# Altium PCB CSUEAF4.PcbDoc (part 2 of 2)
Units mm, origin at the board's own origin, x right, y up, seen from the top; angles counter-clockwise.
Board outline 100.25 x 100.25 mm, 2 copper layers (Top Layer, Bottom Layer); 84 components, 107 nets, 440 pads, 218 vias.
Unrouted connection lines stored in the file: 65.
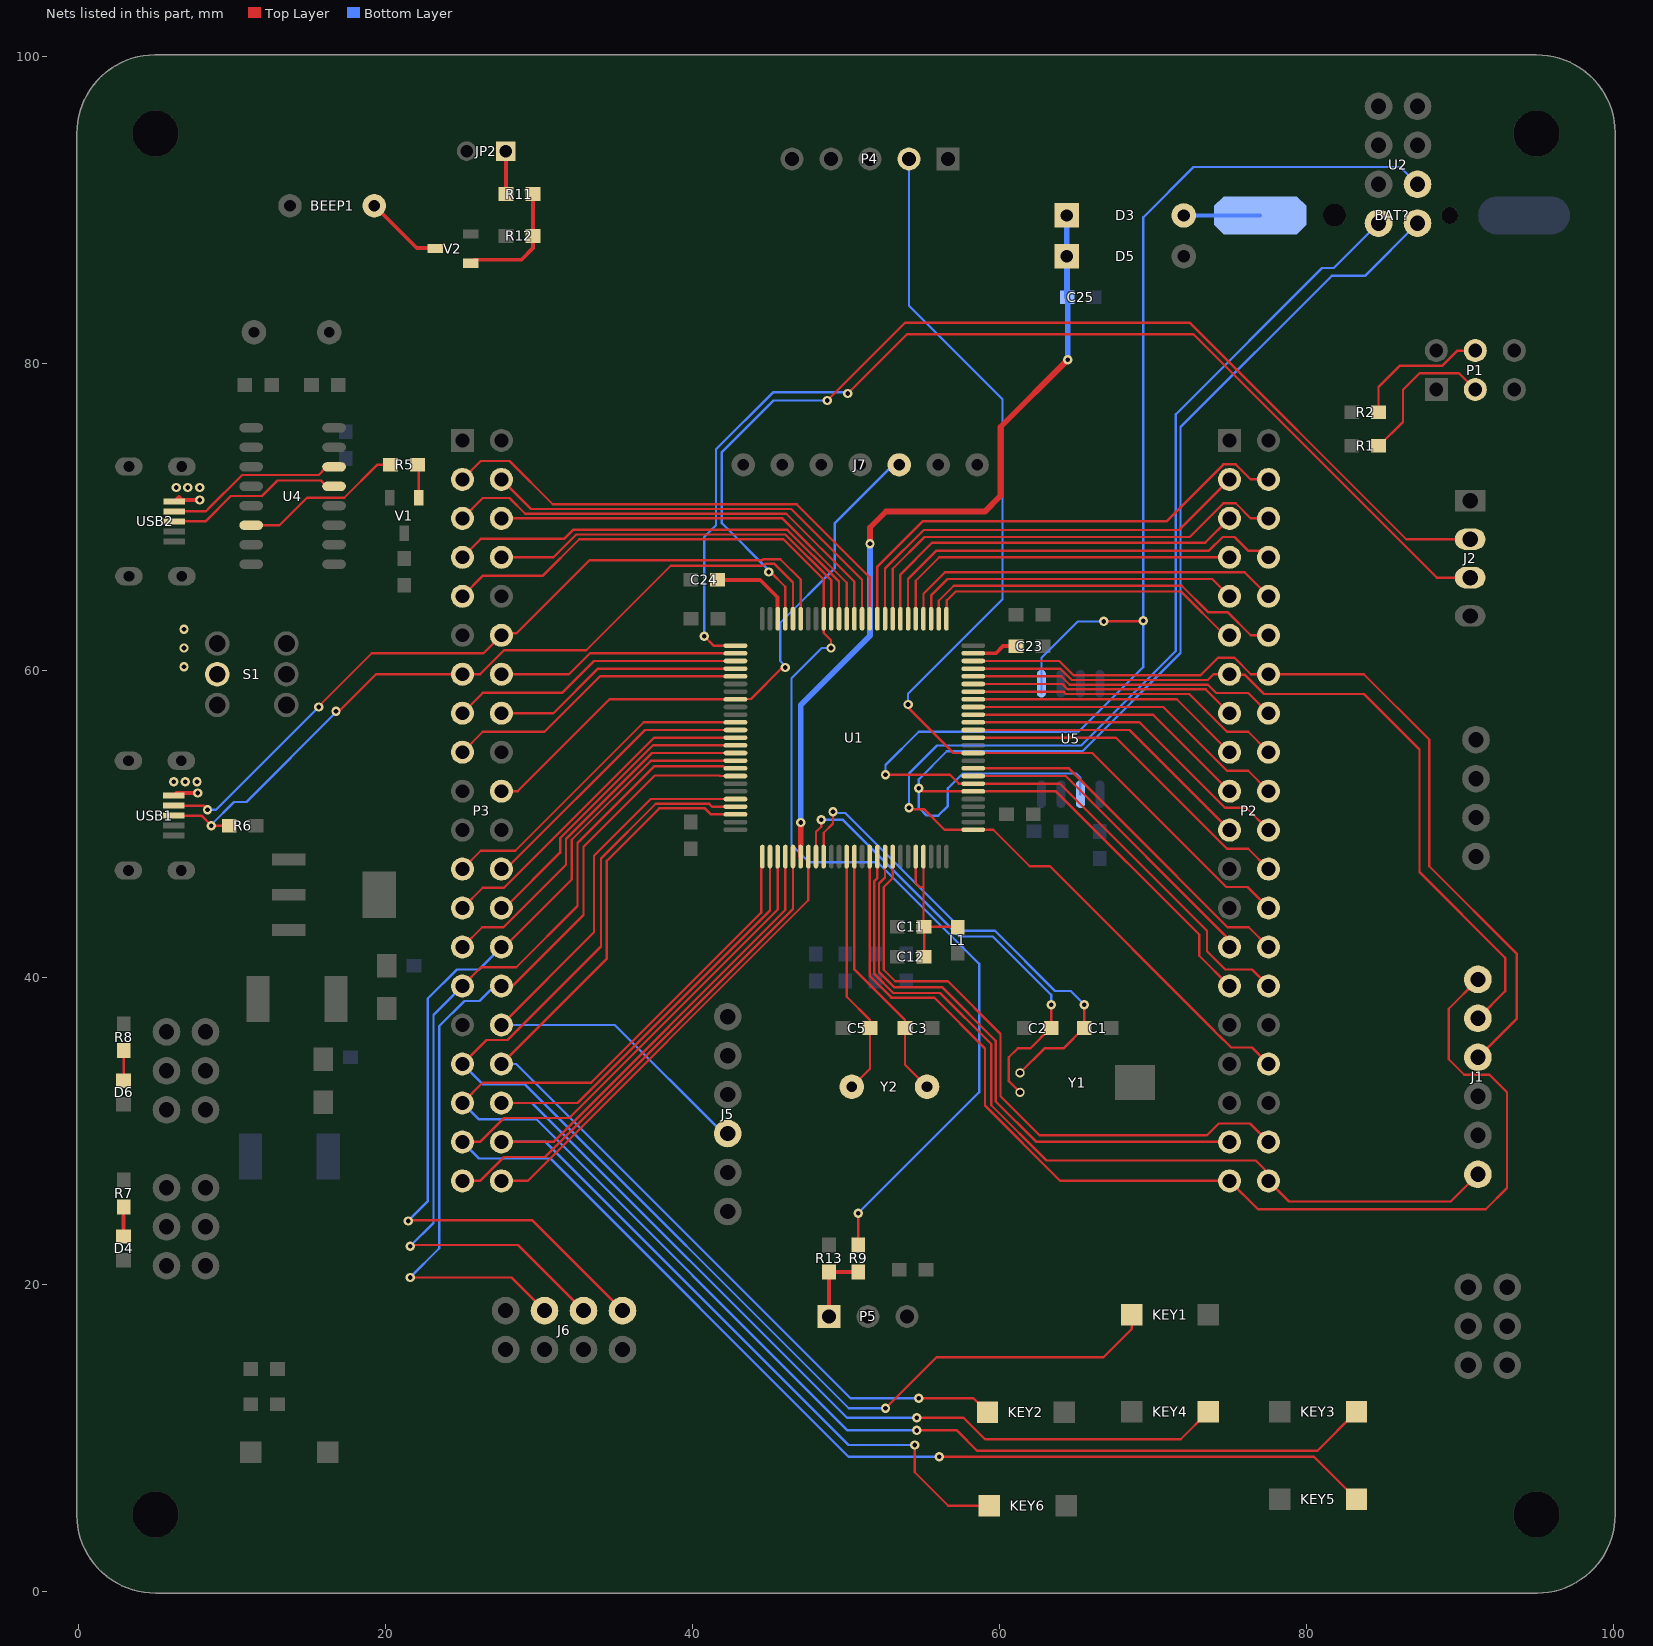
[diagram p2: the nets of this part, all layers, seen from the top]

## Via types
v1: diameter 0.61, hole 0.305, Top Layer to Bottom Layer, tented both sides, 218 vias

## Nets (pads, with @x,y where several pads share a name; then routed paths per layer and width w, separated by ;. In a path a pad name is that pad's centre, name@x,y a point inside that pad or via, vN(x,y) a via of type N, cw(c..) or ccw(c..) an arc to the next point about the centre after c; other vN are vias at no path point) (continued)
I2C1_SDA: J5.4 P3.32 U1.96 | length 42
  Top Layer w0.152: P3.32@27.54,36.9 33.579,42.939 33.579,47.93 37.275,51.626 U1.96@42.796,51.626
  Bottom Layer w0.152: P3.32@27.54,36.9 34.932,36.9 42.007,29.825 J5.4@42.291,29.825
I2C2_SCL: J1.5 P2.13 U1.47 | length 52.2
  Top Layer w0.152: U1.47@58.296,60.126 63.966,60.126 64.707,59.385 73.572,59.385 73.947,59.76 P2.13@75,59.76 75.026,59.734 75.979,59.734 77.242,58.471 83.769,58.471 87.376,54.864 87.376,46.863 92.964,41.275 92.964,39.108 J1.5@91.186,37.33
I2C2_SDA: J1.4 P2.14 U1.48 | length 56.9
  Top Layer w0.152: U1.48@58.296,60.626 63.897,60.626 64.833,59.69 73.109,59.69 74.252,60.833 75.311,60.833 76.384,59.76 P2.14@77.54,59.76 83.75,59.76 88.011,55.499 88.011,47.244 93.726,41.529 93.726,37.33 J1.4@91.186,34.79
I2C3_SCL: P3.9 R9.2 U1.67 | length 82.1
  Top Layer w0.152: P3.9@25,64.84 26.348,66.188 30.247,66.188 32.614,68.555 32.875,68.555 32.881,68.561 45.919,68.561 48.546,65.934 U1.67@48.546,63.376 48.546,62.452 49.022,61.976 v1(49.022,61.468) ; R9.2@50.8,22.565 v1(50.8,24.638)
  Bottom Layer w0.152: v1(49.022,61.468) 48.419,61.468 46.452,59.501 46.452,48.651 47.605,47.498 52.07,47.498 58.674,40.894 58.674,32.512 v1(50.8,24.638)
I2C3_SDA: P3.8 U1.66 | length 25.9
  Top Layer w0.152: P3.8@27.54,67.38 30.931,67.38 32.417,68.866 46.045,68.866 49.046,65.865 U1.66@49.046,63.376
JTDI: P3.14 U1.77 | length 15.7
  Top Layer w0.152: P3.14@27.54,59.76 31.947,59.76 33.313,61.126 U1.77@42.669,61.126
JTDO: P3.26 U1.89 | length 20.2
  Top Layer w0.152: P3.26@27.54,44.52 27.756,44.52 31.369,48.133 31.369,49.072 37.423,55.126 U1.89@42.796,55.126
JTRST: P3.27 U1.90 | length 24
  Top Layer w0.152: P3.27@25,41.98 26.29,43.27 27.674,43.27 31.75,47.346 31.75,49.022 37.354,54.626 U1.90@42.796,54.626
KEY: J1.1 P2.40 U1.16 | length 56.6
  Top Layer w0.152: U1.16@52.046,47.876 52.046,46.476 51.851,46.281 51.851,40.224 53.085,38.989 56.134,38.989 59.461,35.662 59.461,31.669 63.063,28.067 76.708,28.067 77.54,27.235 P2.40@77.54,26.74 78.88,25.4 89.416,25.4 J1.1@91.186,27.17
KEY1: KEY1.1 P3.33 U1.97 | length 84.4
  Top Layer w0.152: P3.33@25,34.36 26.561,35.921 27.945,35.921 34.036,42.012 34.036,47.752 37.605,51.321 41.08,51.321 41.275,51.126 U1.97@42.796,51.126 ; v1(52.578,11.923) 55.895,15.24 66.777,15.24 68.62,17.083 KEY1.1@68.62,18.01
  Bottom Layer w0.152: P3.33@25,34.36 25.203,34.36 25.203,34.157 26.34,33.02 29.083,33.02 50.18,11.923 v1(52.578,11.923)
KEY2: KEY2.1 P3.34 U1.98 | length 67.1
  Top Layer w0.152: P3.34@27.54,34.36 34.417,41.237 34.417,47.609 37.824,51.016 40.805,51.016 41.195,50.626 U1.98@42.796,50.626 ; v1(54.737,12.576) 58.306,12.576 KEY2.1@59.222,11.66
  Bottom Layer w0.152: P3.34@27.54,34.36 28.512,34.36 50.295,12.576 v1(54.737,12.576)
KEY3: KEY3.1 P3.35 U1.1 | length 97
  Top Layer w0.152: P3.35@25,31.82 26.327,33.147 33.401,33.147 44.478,44.224 44.478,47.327 44.546,47.395 U1.1@44.546,47.876 ; v1(54.61,10.477) 57.226,10.477 58.56,9.144 80.708,9.144 KEY3.1@83.272,11.708
  Bottom Layer w0.152: P3.35@25,31.82 26.053,30.767 29.812,30.767 50.102,10.477 v1(54.61,10.477)
KEY4: KEY4.1 P3.36 U1.2 | length 82.1
  Top Layer w0.152: P3.36@27.54,31.82 32.505,31.82 45.046,44.361 U1.2@45.046,47.876 ; v1(54.61,11.303) 57.658,11.303 59.055,9.906 71.818,9.906 KEY4.1@73.62,11.708
  Bottom Layer w0.152: P3.36@27.54,31.82 29.545,31.82 50.062,11.303 v1(54.61,11.303)
KEY5: KEY5.1 P3.37 U1.3 | length 98.3
  Top Layer w0.152: P3.37@25,29.28 26.156,29.28 27.717,30.841 31.958,30.841 45.546,44.43 U1.3@45.546,47.876 ; v1(56.079,8.763) 80.502,8.763 KEY5.1@83.272,5.993
  Bottom Layer w0.152: P3.37@25,29.28 25,29.153 25.127,29.153 26.086,28.194 30.734,28.194 50.165,8.763 v1(56.079,8.763)
KEY6: KEY6.1 P3.38 U1.4 | length 70.9
  Top Layer w0.152: P3.38@27.54,29.28 30.931,29.28 46.046,44.395 U1.4@46.046,47.876 ; v1(54.483,9.525) 54.483,7.747 56.666,5.564 KEY6.1@59.349,5.564
  Bottom Layer w0.152: P3.38@27.54,29.28 30.41,29.28 50.165,9.525 v1(54.483,9.525)
NetBAT?_1: BAT?.1 D3.2 | length 5
  Bottom Layer w0.254: D3.2@72.009,89.662 BAT?.1@76.996,89.662
NetBEEP1_2: BEEP1.2 V2.3 | length 5.1
  Top Layer w0.254: BEEP1.2@19.26,90.297 22.026,87.531 23.206,87.531 V2.3@23.234,87.503
NetC11_2: C11.2 C12.2 L1.1 U1.21 U1.22 | length 11.1
  Top Layer w0.152: U1.21@54.546,47.876 54.546,46.14 54.792,45.894 55.046,45.894 ; U1.22@55.046,47.876 55.046,45.894 ; C12.2@55.093,41.345 C11.2@55.093,43.307 ; L1.1@57.277,43.27 57.24,43.307 C11.2@55.093,43.307 ; 55.046,45.894 55.046,43.354 C11.2@55.093,43.307
NetC23_1: C23.1 U1.49 | length 3
  Top Layer w0.254: U1.49@58.296,61.126 59.77,61.126 60.239,61.595 C23.1@61.087,61.595
NetC24_1: C24.1 U1.73 | length 5.8
  Top Layer w0.254: C24.1@41.631,65.913 44.41,65.913 45.546,64.777 U1.73@45.546,63.376
NetD4_A: D4.A R7.1 | length 1.9
  Top Layer w0.254: D4.A@2.921,23.114 R7.1@2.921,25.044
NetD6_A: D6.A R8.1 | length 2
  Top Layer w0.152: D6.A@2.921,33.274 R8.1@2.921,35.23
NetJP2_1: JP2.1 R11.1 | length 2.8
  Top Layer w0.254: JP2.1@27.813,93.853 27.838,93.828 R11.1@27.838,91.059
NetP1_3: P1.3 R1.1 | length 10
  Top Layer w0.152: R1.1@84.709,74.646 84.747,74.646 86.301,76.2 86.301,78.3 87.376,79.375 89.954,79.375 90.926,78.403 P1.3@90.926,78.226
NetP1_4: P1.4 R2.2 | length 8.9
  Top Layer w0.152: R2.2@84.709,76.835 84.709,78.486 86.099,79.876 88.88,79.876 89.858,80.855 P1.4@91.015,80.855
NetP5_1: P5.1 R9.1 R13.2 | length 4.8
  Top Layer w0.254: P5.1@48.895,17.907 R13.2@48.895,20.812 R9.1@50.8,20.812
NetR5_1: R5.1 V1.1 | length 1.9
  Top Layer w0.152: R5.1@22.073,73.152 22.159,73.066 V1.1@22.159,71.254
NetR5_2: R5.2 U4.14 | length 10.7
  Top Layer w0.152: U4.14@11.237,69.469 13.081,69.469 14.88,71.268 17.293,71.268 19.431,73.406 R5.2@20.32,73.406
NetR11_2: R11.2 R12.2 V2.1 | length 8
  Top Layer w0.254: V2.1@25.534,86.553 25.758,86.777 28.839,86.777 29.591,87.528 R12.2@29.591,88.326 R11.2@29.591,91.059
NetU4_5: U4.5 USB2.3 | length 11.7
  Top Layer w0.152: USB2.3@6.216,69.723 8.255,69.723 9.906,71.374 11.931,71.374 12.947,72.39 15.781,72.39 16.162,72.009 U4.5@16.637,72.009
NetU4_6: U4.6 USB2.2 | length 11.6
  Top Layer w0.152: USB2.2@6.216,70.373 8.276,70.373 8.42,70.517 8.42,70.523 10.647,72.75 15.633,72.75 16.016,73.133 16.491,73.133 U4.6@16.637,73.279
NRF_IRQ: P2.34 U1.26 U2.8 | length 87.1
  Top Layer w0.152: v1(54.102,51.054) 54.187,50.969 55.084,50.969 56.427,49.626 U1.26@58.296,49.626 59.599,49.626 61.981,47.244 63.292,47.244 74.021,36.514 74.021,36.495 74.595,35.921 74.614,35.921 75.103,35.433 76.467,35.433 P2.34@77.54,34.36
  Bottom Layer w0.152: v1(54.102,51.054) 54.102,53.294 55.926,55.118 65.328,55.118 71.501,61.291 71.501,76.708 81.026,86.233 81.788,86.233 U2.8@84.709,89.154
"OS 8M IN": C5.2 U1.12 Y2.1 | length 16.1
  Top Layer w0.152: U1.12@50.046,47.876 50.046,38.74 51.562,37.224 C5.2@51.562,36.703 51.562,34.055 Y2.1@50.382,32.875
"OS 8M OUT": C3.2 U1.13 Y2.2 | length 17
  Top Layer w0.152: U1.13@50.546,47.876 50.546,40.526 53.848,37.224 C3.2@53.848,36.703 53.848,34.309 Y2.2@55.282,32.875
"OS 32K IN": C2.2 U1.8 Y1.1 | length 30.5
  Top Layer w0.152: U1.8@48.046,47.876 48.046,49.49 48.381,49.825 v1(48.381,50.267) ; Y1.1@61.341,32.512 60.61,33.243 60.61,34.798 61.188,35.376 62.008,35.376 63.335,36.703 C2.2@63.373,36.703 v1(63.373,38.227)
  Bottom Layer w0.152: v1(48.381,50.267) 49.809,50.267 57.404,42.672 59.563,42.672 63.373,38.862 v1(63.373,38.227)
"OS 32K OUT": C1.2 U1.9 Y1.2 | length 31.7
  Top Layer w0.152: U1.9@48.546,47.876 48.546,49.435 49.149,50.038 v1(49.149,50.8) ; Y1.2@61.341,33.782 62.935,35.376 64.167,35.376 65.494,36.703 C1.2@65.532,36.703 v1(65.532,38.227)
  Bottom Layer w0.152: v1(49.149,50.8) 49.234,50.715 49.946,50.715 57.608,43.053 59.69,43.053 63.627,39.116 64.643,39.116 v1(65.532,38.227)
PA6: P2.29 U1.31 U2.7 U5.2 | length 98.1
  Top Layer w0.152: v1(54.737,52.324) 54.792,52.324 54.983,52.133 58.289,52.133 U1.31@58.296,52.126 63.69,52.126 73.025,42.791 73.025,41.415 P2.29@75,39.44
  Bottom Layer w0.152: U5.2@65.278,51.943 65.278,52.997 64.986,53.289 57.607,53.289 56.642,52.324 56.642,51.181 56.007,50.546 55.507,50.546 55.503,50.55 55.241,50.55 54.737,51.054 v1(54.737,52.324) 54.737,52.908 56.566,54.737 65.405,54.737 71.806,61.138 71.806,75.87 81.661,85.725 83.82,85.725 U2.7@87.249,89.154
PA7: P2.30 U1.32 U2.6 U5.5 | length 110.5
  Top Layer w0.152: v1(52.578,53.213) 56.769,53.213 57.356,52.626 U1.32@58.296,52.626 63.945,52.626 73.533,43.038 73.533,41.702 74.715,40.519 76.461,40.519 P2.30@77.54,39.44 ; v1(66.802,63.203) 66.824,63.224 69.346,63.224 v1(69.367,63.246)
  Bottom Layer w0.152: v1(52.578,53.213) 52.578,53.848 54.737,56.007 65.151,56.007 69.367,60.223 v1(69.367,63.246) 69.367,89.535 72.655,92.823 86.12,92.823 U2.6@87.249,91.694 ; U5.5@62.738,58.543 U5.5@62.738,59.143 62.738,60.833 65.108,63.203 v1(66.802,63.203)
PA11: P3.12 U1.70 USB1.2 | length 51
  Top Layer w0.152: USB1.2@6.18,51.196 8.128,51.196 v1@8.397,50.927 ; v1(15.633,57.626) 15.633,57.67 19.089,61.126 26.366,61.126 P3.12@27.54,62.3 27.668,62.428 28.519,62.428 33.281,67.19 44.541,67.19 44.611,67.259 45.72,67.259 47.046,65.933 U1.70@47.046,63.376
  Bottom Layer w0.152: v1(8.382,50.927) 8.934,50.927 v1(15.633,57.626) 15.626,57.626 v1@15.588,57.664
PA12: P3.13 R6.2 U1.71 USB1.3 | length 52.1
  Top Layer w0.152: USB1.3@6.18,50.546 7.986,50.546 v1(8.636,49.896) R6.2@9.804,49.896 ; v1(16.764,57.34) 16.764,57.15 19.374,59.76 P3.13@25,59.76 26.156,59.76 27.717,61.321 33.077,61.321 38.583,66.827 44.61,66.827 44.737,66.954 45.337,66.954 46.546,65.746 U1.71@46.546,63.376
  Bottom Layer w0.152: v1(8.636,49.896) 8.636,49.958 10.113,51.435 10.922,51.435 16.764,57.277 v1(16.764,57.34)
PA13: J2.2 U1.72 | length 70.8
  Top Layer w0.152: v1(44.958,66.421) 45.085,66.421 46.046,65.46 U1.72@46.046,63.376 ; v1(48.768,77.597) 48.784,77.597 53.864,82.677 72.39,82.677 86.51,68.557 J2.2@90.678,68.557
  Bottom Layer w0.152: v1(44.958,66.421) 44.958,66.548 41.91,69.596 41.91,74.238 45.269,77.597 v1(48.768,77.597)
PA14: J2.3 U1.76 | length 73.7
  Top Layer w0.152: v1(40.767,62.23) 41.371,61.626 U1.76@42.796,61.626 ; v1(50.114,78.054) 53.975,81.915 72.644,81.915 88.502,66.057 J2.3@90.678,66.057
  Bottom Layer w0.152: v1(40.767,62.23) 40.767,68.707 41.529,69.469 41.529,74.422 45.237,78.13 50.038,78.13 v1(50.114,78.054)
PB1: P2.26 P4.2 U1.36 | length 69.8
  Top Layer w0.152: v1(54.046,57.785) 54.046,57.729 53.975,57.658 57.007,54.626 U1.36@58.296,54.626 66.05,54.626 74.782,45.894 76.166,45.894 P2.26@77.54,44.52
  Bottom Layer w0.152: v1(54.046,57.785) 54.046,58.491 60.198,64.643 60.198,77.681 54.102,83.777 P4.2@54.102,93.345
PB5: J6.1 P3.28 U1.91 | length 59.5
  Top Layer w0.152: v1@21.463,24.185 29.536,24.185 J6.1@35.433,18.288 ; P3.28@27.54,41.98 P3.28@27.54,42.457 ; P3.28@27.903,42.158 32.131,46.386 32.131,48.972 37.285,54.126 U1.91@42.796,54.126
  Bottom Layer w0.152: v1(21.463,24.13) 22.733,25.4 22.733,38.608 24.638,40.513 26.073,40.513 P3.28@27.54,41.98
PB6: J6.3 P3.29 U1.92 | length 57.6
  Top Layer w0.152: v1@21.59,22.565 28.616,22.565 J6.3@32.893,18.288 ; P3.29@25,39.44 26.218,40.658 28.504,40.658 32.505,44.659 32.505,48.761 37.516,53.772 41.99,53.772 42.136,53.626 U1.92@42.796,53.626
  Bottom Layer w0.152: v1(21.59,22.479) 23.114,24.003 23.114,37.554 P3.29@25,39.44
PB7: J6.5 P3.30 U1.93 | length 55.5
  Top Layer w0.152: v1(21.59,20.447) 28.194,20.447 J6.5@30.353,18.288 ; P3.30@27.54,39.44 28.264,39.44 32.893,44.069 32.893,48.514 37.538,53.159 41.75,53.159 41.783,53.126 U1.93@42.796,53.126
  Bottom Layer w0.152: v1(21.59,20.447) 23.495,22.352 23.495,36.83 25.126,38.461 26.105,38.461 26.826,39.182 27.282,39.182 P3.30@27.54,39.44
PB12: P2.11 U1.51 | length 21.1
  Top Layer w0.152: U1.51@56.546,63.376 56.571,63.401 56.571,64.572 57.15,65.151 71.832,65.151 74.683,62.3 P2.11@75,62.3
PB13: P2.12 U1.52 | length 24.4
  Top Layer w0.152: U1.52@56.046,63.376 56.046,64.555 57.023,65.532 71.882,65.532 73.623,63.791 74.893,63.791 76.384,62.3 P2.12@77.54,62.3
PB14: P2.9 U1.53 | length 21.9
  Top Layer w0.152: U1.53@55.546,63.376 55.546,64.897 56.618,65.969 73.871,65.969 P2.9@75,64.84
PB15: P2.10 U1.54 | length 25.3
  Top Layer w0.152: U1.54@55.046,63.376 55.046,65.003 56.445,66.401 75.979,66.401 P2.10@77.54,64.84
PC0: J1.6 P2.39 U1.15 | length 75.3
  Top Layer w0.152: U1.15@51.546,47.876 51.546,40.097 52.959,38.684 55.747,38.684 59.055,35.376 59.055,31.644 63.959,26.74 P2.39@75,26.74 76.848,24.892 91.694,24.892 93.084,26.282 93.084,32.519 91.941,33.662 90.29,33.662 89.281,34.671 89.281,37.965 J1.6@91.186,39.87
PC2: P2.37 U1.17 | length 37.4
  Top Layer w0.152: U1.17@52.546,47.876 52.546,46.507 52.156,46.117 52.156,40.35 53.135,39.37 56.261,39.37 59.766,35.865 59.766,31.92 62.406,29.28 P2.37@75,29.28
PC3: P2.38 U1.18 | length 40.4
  Top Layer w0.152: U1.18@53.046,47.876 53.046,46.482 52.46,45.897 52.46,40.495 53.204,39.751 56.642,39.751 60.071,36.322 60.071,32.258 62.619,29.71 73.525,29.71 74.295,30.48 76.34,30.48 P2.38@77.54,29.28
PC4: P2.27 U1.33 | length 21.6
  Top Layer w0.152: U1.33@58.296,53.126 64.316,53.126 74.742,42.7 74.742,42.238 P2.27@75,41.98
PC5: P2.28 U1.34 | length 24.1
  Top Layer w0.152: U1.34@58.296,53.626 64.526,53.626 71.577,46.575 71.577,46.559 74.866,43.27 76.25,43.27 P2.28@77.54,41.98
PC6: P3.5 U1.63 | length 30.8
  Top Layer w0.152: P3.5@25,69.92 26.327,71.247 28.067,71.247 29.089,70.225 46.107,70.225 50.546,65.786 U1.63@50.546,63.376
PC7: P3.6 U1.64 | length 26.6
  Top Layer w0.152: P3.6@27.54,69.92 45.853,69.92 50.046,65.727 U1.64@50.046,63.376
PC8: P3.7 U1.65 | length 29.1
  Top Layer w0.152: P3.7@25,67.38 26.2,68.58 31.623,68.58 32.214,69.171 46.171,69.171 49.546,65.796 U1.65@49.546,63.376
PC10: P3.15 U1.78 | length 19.2
  Top Layer w0.152: P3.15@25,57.22 26.327,58.547 31.496,58.547 33.575,60.626 U1.78@42.796,60.626
PC11: P3.16 U1.79 | length 16.5
  Top Layer w0.152: P3.16@27.54,57.22 30.931,57.22 33.837,60.126 U1.79@42.796,60.126
PC12: P3.17 U1.80 | length 19.8
  Top Layer w0.152: P3.17@25,54.68 26.327,56.007 30.353,56.007 33.972,59.626 U1.80@42.796,59.626
PC13: P3.40 U1.7 | length 30.4
  Top Layer w0.152: P3.40@27.54,26.74 29.253,26.74 47.546,45.033 U1.7@47.546,47.876
PD2: J7.5 P3.20 U1.83 | length 38.6
  Top Layer w0.152: P3.20@27.54,52.14 28.599,52.14 34.585,58.126 U1.83@42.796,58.126 42.821,58.151 43.8,58.151 45.847,60.198 v1(46.046,60.198)
  Bottom Layer w0.152: v1(46.046,60.198) 46.046,60.3 45.72,60.626 45.72,63.119 49.276,66.675 49.276,69.621 52.798,73.144 53.205,73.144 J7.5@53.467,73.406
PD5: P3.23 U1.86 | length 21.8
  Top Layer w0.152: P3.23@25,47.06 26.2,48.26 28.448,48.26 36.814,56.626 U1.86@42.796,56.626
PD6: P3.24 U1.87 | length 19
  Top Layer w0.152: P3.24@27.54,47.06 27.826,47.06 36.892,56.126 U1.87@42.796,56.126
PD7: P3.25 U1.88 | length 22.4
  Top Layer w0.152: P3.25@25,44.52 26.327,45.847 27.713,45.847 37.492,55.626 U1.88@42.796,55.626
PD8: P2.7 U1.55 | length 23.6
  Top Layer w0.152: U1.55@54.546,63.376 54.546,65.849 56.077,67.38 P2.7@75,67.38
PD9: P2.8 U1.56 | length 27.8
  Top Layer w0.152: U1.56@54.046,63.376 54.046,65.969 55.895,67.818 73.66,67.818 74.549,68.707 75.311,68.707 76.2,67.818 77.102,67.818 P2.8@77.54,67.38
PD10: P2.5 U1.57 | length 25.9
  Top Layer w0.152: U1.57@53.546,63.376 53.546,66.261 55.611,68.326 73.406,68.326 P2.5@75,69.92
PD11: P2.6 U1.58 | length 29.9
  Top Layer w0.152: U1.58@53.046,63.376 53.046,66.635 55.118,68.707 72.403,68.707 74.595,70.899 75.405,70.899 76.384,69.92 P2.6@77.54,69.92
PD12: P2.3 U1.59 | length 28.1
  Top Layer w0.152: U1.59@52.546,63.376 52.546,66.643 55.067,69.164 71.704,69.164 P2.3@75,72.46
PD13: P2.4 U1.60 | length 32.1
  Top Layer w0.152: U1.60@52.046,63.376 52.046,66.778 54.991,69.723 70.879,69.723 74.595,73.439 75.405,73.439 76.384,72.46 P2.4@77.54,72.46
PD14: P3.3 U1.61 | length 32.9
  Top Layer w0.152: P3.3@25,72.46 26.2,73.66 28.067,73.66 30.893,70.834 46.784,70.834 51.546,66.072 U1.61@51.546,63.376
PD15: P3.4 U1.62 | length 28.8
  Top Layer w0.152: P3.4@27.54,72.46 29.47,70.53 46.437,70.53 51.046,65.921 U1.62@51.046,63.376
PE6: P3.39 U1.5 | length 32.3
  Top Layer w0.152: P3.39@25,26.74 26.156,26.74 27.717,28.301 30.383,28.301 46.546,44.464 U1.5@46.546,47.876
PE7: P2.24 U1.38 | length 22.8
  Top Layer w0.152: U1.38@58.296,55.626 67.59,55.626 74.829,48.387 76.213,48.387 P2.24@77.54,47.06
PE8: P2.21 U1.39 | length 19.4
  Top Layer w0.152: U1.39@58.296,56.126 68.474,56.126 P2.21@75,49.6
PE9: P2.22 U1.40 | length 22.2
  Top Layer w0.152: U1.40@58.296,56.626 69.13,56.626 74.702,51.054 76.086,51.054 P2.22@77.54,49.6
PE10: P2.19 U1.41 | length 18.8
  Top Layer w0.152: U1.41@58.296,57.126 70.014,57.126 P2.19@75,52.14
PE11: P2.20 U1.42 | length 21.5
  Top Layer w0.152: U1.42@58.296,57.626 70.67,57.626 74.829,53.467 76.213,53.467 P2.20@77.54,52.14
PE12: P2.17 U1.43 | length 18.1
  Top Layer w0.152: U1.43@58.296,58.126 71.554,58.126 P2.17@75,54.68
PE13: P2.18 U1.44 | length 20.9
  Top Layer w0.152: U1.44@58.296,58.626 64.173,58.626 64.328,58.471 72.365,58.471 74.829,56.007 76.213,56.007 P2.18@77.54,54.68
PE14: P2.15 U1.45 | length 17.5
  Top Layer w0.152: U1.45@58.296,59.126 64.104,59.126 64.454,58.776 73.444,58.776 P2.15@75,57.22
PE15: P2.16 U1.46 | length 20.2
  Top Layer w0.152: U1.46@58.296,59.626 64.035,59.626 64.58,59.08 73.587,59.08 74.129,58.538 76.222,58.538 P2.16@77.54,57.22
VBAT: C25.2 D3.1 D5.1 U1.6 | length 52.8
  Top Layer w0.381: U1.6@47.046,47.876 v1(47.046,50.094) ; v1(51.562,68.256) 51.562,69.327 52.608,70.373 59.025,70.373 59.04,70.358 60.071,71.389 60.071,75.881 v1(64.454,80.264)
  Bottom Layer w0.254: D5.1@64.389,86.995 D5.1@64.414,86.97
  Bottom Layer w0.381: v1(47.046,50.094) 47.046,57.761 51.562,62.277 v1(51.562,68.256) ; D5.1@64.389,86.995 D3.1@64.389,89.662 ; D5.1@64.414,86.97 C25.2@64.414,84.328 64.454,84.288 v1(64.454,80.264)
VUSB: S1.2 USB1.1 USB2.1 | length 3.6
  Top Layer w0.254: USB1.1@6.047,51.846 USB1.1@6.18,51.846 6.354,52.019 v1(7.747,52.019) ; USB2.1@6.216,71.023 6.516,71.323 6.72,71.12 v1(7.874,71.12)
  other v1: 6.18,52.756 6.93,52.756 7.704,52.756 6.858,60.249 6.858,61.468 6.858,62.687 6.35,71.933 7.099,71.933 7.874,71.933
pads on no net: BAT?.0 J5.1 J5.2 S1.1 S1.4 S1.5 S1.6 U4.9 U4.10 U4.11 U4.12 U4.15 USB1.4 USB1.6 USB2.4 USB2.6 Y1.3

## Polygon pours and split planes (outlines as drawn)
GND on Bottom Layer "NONET_L02_P-001" (hatched Horizontal grid 0.102 track 0.127, remove dead copper, pour order 41): -0.127,4.952 cw(c0,4.953) -0.125,4.976 cw(c0,5) -0.127,5 -0.127,94.996 cw(c4.978,95.022) 4.952,100.127 cw(c4.953,100) 4.977,100.125 cw(c5,100) 5,100.127 94.996,100.127 cw(c95.022,95.022) 100.127,95.048 cw(c100,95.047) 100.127,95.047 cw(c100,95.047) 100.125,95.024 cw(c100,95) 100.127,95 100.127,5.004 ccw(c95.022,4.978) 100.127,5.005 100.127,5.004 cw(c95.022,4.978) 100.127,4.978 cw(c95.022,4.978) 95.048,-0.127 cw(c95.047,0) 95.024,-0.125 cw(c95,0) 95,-0.127 5,-0.127 5.005,-0.127 ccw(c5.004,0) 5.006,-0.127 5.005,-0.127 cw(c4.978,4.978)
3V3 on Bottom Layer "NONET_L02_P-001" (hatched Horizontal grid 0.102 track 0.127, remove dead copper, pour order 32): 9.96,46.838 10.061,46.736 19.202,46.736 19.304,46.634 19.304,44.64 9.895,44.64
no net on Bottom Layer "NONET_L02_P-001" (hatched Horizontal grid 0.102 track 0.127, remove dead copper, pour order 28): 9.514,24.892
3V3 on Bottom Layer "NONET_L02_P-001" (hatched Horizontal grid 0.102 track 0.127, remove dead copper, pour order 26): 7.099,27.305 7.119,27.285 9.514,27.285 9.514,19.965 9.54,19.939 9.286,19.685 7.112,19.685
5V on Bottom Layer "NONET_L02_P-001" (hatched Horizontal grid 0.102 track 0.127, remove dead copper, pour order 24): 7.239,37.338 11.557,37.338 11.938,36.957 11.811,36.83 11.811,30.353 7.216,30.353
3V3 on Bottom Layer "NONET_L02_P-001" (hatched Horizontal grid 0.102 track 0.127, remove dead copper, pour order 22): 18.669,46.971 18.777,46.863 22.225,46.863 22.225,42.418 22.352,42.291 21.717,41.656 20.828,41.656 20.828,40.505 20.32,39.997 20.312,40.005 18.923,40.005
VUSB on Bottom Layer "Bottom Layer-No Net" (hatched Horizontal grid 0.102 track 0.127, pour order 8): 4.565,51.689 8.201,51.689 8.201,52.387 8.201,62.977 5.715,62.078
VUSB on Bottom Layer "Bottom Layer-No Net" (hatched Horizontal grid 0.102 track 0.127, pour order 2): 10.183,59.03 10.183,70.428 6.043,70.428 6.043,59.03
VUSB on Bottom Layer "Bottom Layer-No Net" (hatched Horizontal grid 0.102 track 0.127, pour order 0): 5.982,72.366 10.16,72.455 10.16,69.469 5.982,69.469
GND on Top Layer "NONET_L02_P-001" (hatched Horizontal grid 0.102 track 0.127, remove dead copper, pour order 39): -0.127,4.952 cw(c0,4.953) -0.125,4.976 cw(c0,5) -0.127,5 -0.127,94.996 cw(c4.978,95.022) 4.952,100.127 cw(c4.953,100) 4.977,100.125 cw(c5,100) 5,100.127 94.996,100.127 cw(c95.022,95.022) 100.127,95.048 cw(c100,95.047) 100.127,95.047 cw(c100,95.047) 100.125,95.024 cw(c100,95) 100.127,95 100.127,5.004 ccw(c95.022,4.978) 100.127,5.005 100.127,5.004 cw(c95.022,4.978) 100.127,4.978 cw(c95.022,4.978) 95.048,-0.127 cw(c95.047,0) 95.024,-0.125 cw(c95,0) 95,-0.127 5,-0.127 5.005,-0.127 ccw(c5.004,0) 5.006,-0.127 5.005,-0.127 cw(c4.978,4.978)
no net on Top Layer "NONET_L02_P-001" (hatched Horizontal grid 0.102 track 0.127, remove dead copper, pour order 20): 20.447,39.776
3V3 on Top Layer "NONET_L02_P-001" (hatched Horizontal grid 0.102 track 0.127, remove dead copper, pour order 18): 18.542,47.327 22.352,47.327 22.352,39.776 18.542,39.776
3V3 on Top Layer "NONET_L02_P-001" (hatched Horizontal grid 0.102 track 0.127, remove dead copper, pour order 16): 9.856,46.736 15.189,46.736 15.189,44.761 15.291,44.659 15.234,44.602 9.811,44.602
5V on Top Layer "NONET_L02_P-001" (hatched Horizontal grid 0.102 track 0.127, remove dead copper, pour order 14): 10.922,58.014 12.852,56.083 17.653,51.283 17.301,41.986 13.335,41.148 12.852,38.608 12.563,37.085 12.065,35.179 12.065,34.916 11.874,31.679 9.906,29.71 9.771,29.845 6.858,29.845 6.858,37.259 10.836,41.237 10.922,41.237 10.922,43.434 11.43,43.942 15.748,43.942 15.748,49.693 10.323,55.118 8.255,55.753 7.874,55.87
VUSB on Top Layer "NONET_L02_P-001" (hatched Horizontal grid 0.102 track 0.127, remove dead copper, pour order 12): 5.956,63.373 10.183,63.373 10.414,63.142 10.414,59.182 6.914,59.182 5.956,59.145
5V on Top Layer "NONET_L02_P-001" (hatched Horizontal grid 0.102 track 0.127, remove dead copper, pour order 10): 7.62,58.674 10.922,58.674 10.922,55.88 11.049,55.753 7.62,55.88
VUSB on Top Layer "Bottom Layer-No Net" (hatched Horizontal grid 0.102 track 0.127, pour order 6): 4.021,54.991 8.085,54.991 8.085,51.689 4.021,51.689
VUSB on Top Layer "Bottom Layer-No Net" (hatched Horizontal grid 0.102 track 0.127, pour order 4): 4.187,74.34 8.251,74.34 8.251,70.911 8.19,70.85 4.187,70.85

## Keep-outs
Keep-Out Layer:
  lines w0.254: 0,4.953 ccw(c4.978,4.978) 5.004,0 ; 0,5 0,95 ; 0,94.996 cw(c4.978,95.022) 4.953,100 ; 5,0 95,0 ; 5,100 95,100 ; 94.996,100 cw(c95.022,95.022) 100,95.047 ; 95.047,0 ccw(c95.022,4.978) 100,5.004 ; 100,5 100,95

## Other copper
Top Layer:
  rectangle net VUSB: 5.805,52.448 7.958,52.451
  rectangle net VUSB: 6.047,51.626 8.022,52.451
  rectangle net VUSB: 5.969,70.85 8.191,71.628
  rectangle net VUSB: 5.974,71.625 8.128,71.628
  pour cut-out: 74.034,75.794 78.091,75.794 78.091,26.189 78.065,26.215 74.464,26.215
  pour cut-out: 24.003,73.355 28.378,73.355 28.389,73.366 28.389,26.212 24.367,26.212 24.267,26.111
  text "TOP" at 7.112,102.616 h1.52
Bottom Layer:
  pour cut-out: 73.66,75.997 73.787,75.87 78.747,75.87 78.747,25.559 78.486,25.298 78.384,25.4 74.041,25.4
  pour cut-out: 24.257,73.762 28.575,73.762 28.448,73.635 28.448,25.197 23.899,25.197 23.696,25.4
  text "BUTTOM" at 23.368,102.616 h1.52

## Silkscreen, mask and mechanical layers (free items; w line width, h text height)
Top Overlay:
  drawing of 1969 lines, arcs and shapes, not listed
  text "GND" at 83.82,98.552 h0.76
  text "GND" at 45.72,95.25 h0.76
  text "GND" at 48.26,95.25 h0.76
  text "NRF" at 78.105,90.297 h1.52
  text "beep" at 3.937,89.662 h1.52
  text "HC-SR04 / US-100" at 47.244,86.614 h1.52
  text "3V3" at 86.868,82.55 h0.76
  text "BOOT0" at 89.535,82.55 h0.76
  text "GND" at 93.853,82.55 h0.76
  text "BOOT" at 98.933,76.962 h1.52 r90
  text "BOOT1" at 89.662,75.692 h0.76
  text "GND" at 42.164,75.565 h0.76
  text "VCC" at 44.978,75.565 h0.76
  text "USB 232" at 0.889,75.438 h1.02
  text "jlink" at 97.282,64.008 h1.52 r90
  text "3.3V开关" at 8.636,54.737 h1.52
  text "3V3" at 89.027,54.737 h0.76 r90
  text "USART1" at 95.377,48.006 h1.52 r90
  text "GND" at 89.154,47.117 h0.76 r90
  text "GND" at 4.953,39.065 h0.76
  text "5V" at 7.831,39.065 h0.76
  text "GND" at 89.154,31.242 h0.76 r90
  text "VCC" at 89.154,28.702 h0.76 r90
  text "blue tooth" at 95.504,26.67 h1.52 r90
  text "MPU6050" at 45.847,26.035 h1.52 r90
  text "GND /  / PD14 /  / PC6 /  / PC8 /  / PA8 /  / PA10 /  / PA12 /  / PC10 /  / PC12 /  / PD1 /  / PD3 /  / PD5 /  / PD7 /  / PB4 /  / PB6 /  / PB8 /  / PE0 /  / PE2 /  / PE4 /  / PE6" at 29.769,26.015 h0.66
  text "GND /  / PD15 /  / PC7 /  / PC9 /  / PA9 /  / PA11 /  / PA13 /  / PC11 /  / PD0 /  / PD2 /  / PD4 /  / PD6 /  / PB3 /  / PB5 /  / PB7 /  / PB9 /  / PE1 /  / PE3 /  / PE5 /  / PC13" at 33.211,26.015 h0.66
  text "3.3V /  / PD13 /  / PD11 /  / PD9 /  / PB15 /  / PB13 /  / PB11 /  / PE15 /  / PE13 /  / PE11 /  / PE9 /  / PE7 /  / PB1 /  / PC5 /  / PA7 /  / PA5 /  / PA3 /  / PA1 /  / PC3 /  / PC1" at 79.121,26.005 h0.66
  text "3.3V /  / PD12 /  / PD10 /  / PD8 /  / PB14 /  / PB12 /  / PB10 /  / PE14 /  / PE12 /  / PE10 /  / PE8 /  / PB2 /  / PB0 /  / PC4 /  / PA6 /  / PA4 /  / PA2 /  / PA0 /  / PC2 /  / PC0" at 70.866,25.908 h0.66
  text "VCC" at 41.168,22.098 h0.76
  text "TIM4_4" at 23.622,20.344 h0.76
  text "3" at 30.099,20.218 h0.76
  text "2" at 32.639,20.218 h0.76
  text "1" at 35.306,20.218 h0.76
  text "ADC1-0" at 95,19.304 h0.76
  text "DAC1" at 85.979,19.177 h0.76
  text "GND" at 4.572,17.983 h0.76
  text "3V3" at 7.45,17.983 h0.76
  text "ADC2-1" at 94.988,17.018 h0.76
  text "DAC2" at 85.979,16.764 h0.76
  text "PWM" at 37.846,16.129 h1.52
  text "GND" at 50.546,15.494 h0.76
  text "VCC" at 53.233,15.494 h0.76
  text "GND" at 23.749,14.859 h0.76
  text "ADC3-2" at 94.988,14.478 h0.76
  text "Remote" at 47.498,13.716 h1.52
  text "GND" at 86.868,13.589 h0.76
  text "DAC-ADC" at 87.122,10.668 h1.52
  text "RESET" at 12.192,5.969 h1.52
  text "Key" at 68.961,5.607 h1.52
  text "确认" at 78.994,2.032 h1.52
  text "返回" at 60.198,1.778 h1.52
Bottom Overlay:
  drawing of 5356 lines, arcs and shapes, not listed
  text "资源： / CH340+USB5V转3.3供电 / 0.96OLED（SPI） / 蓝牙 / 按键*6 / NRF / 超声波测距：HC-SR04/US-100 / 蜂鸣器 / 4*PWM（tim4_1.2.3.4） / MPU6050（IIC） / 红外:HS0038 / DAC*2      ADC*3 / RTC时钟电池" at 53.467,46.609 h1.78
  text "STM3F407VET6核心板V1.0" at 70.358,11.913 h2.03
  text "中南大学电子设计爱好者协会" at 70.612,9.576 h2.03
  text "电气1705陈宝轩" at 70.231,7.137 h2.03

## Text inside footprints (layer, text, board x,y; h text height)
J7: Top Overlay "CS" at 57.912,71.501 h1.27; Top Overlay "DC" at 55.372,71.501 h1.27; Top Overlay "RES" at 52.197,71.501 h1.27; Top Overlay "D1" at 50.292,71.501 h1.27; Top Overlay "D0" at 47.752,71.501 h1.27; Top Overlay "VCC" at 44.577,71.501 h1.27; Top Overlay "GND" at 42.037,71.501 h1.27
P1: Top Overlay "5" at 95.079,77.807 h1.27; Top Overlay "6" at 95.079,80.347 h1.27; Top Overlay "2" at 85.935,80.347 h1.27; Top Overlay "1" at 86.443,77.807 h1.27
P2: Top Overlay "1" at 74.492,77.54 h1.27 r270; Top Overlay "2" at 77.032,77.54 h1.27 r270; Top Overlay "40" at 77.032,24.708 h1.27 r270; Top Overlay "39" at 74.492,24.708 h1.27 r270
P3: Top Overlay "1" at 24.492,77.54 h1.27 r270; Top Overlay "2" at 27.032,77.54 h1.27 r270; Top Overlay "40" at 27.032,24.708 h1.27 r270; Top Overlay "39" at 24.492,24.708 h1.27 r270